# KiCad board SparkFun_GNSS_Flex_Breakout_panelized.kicad_pcb (continued)
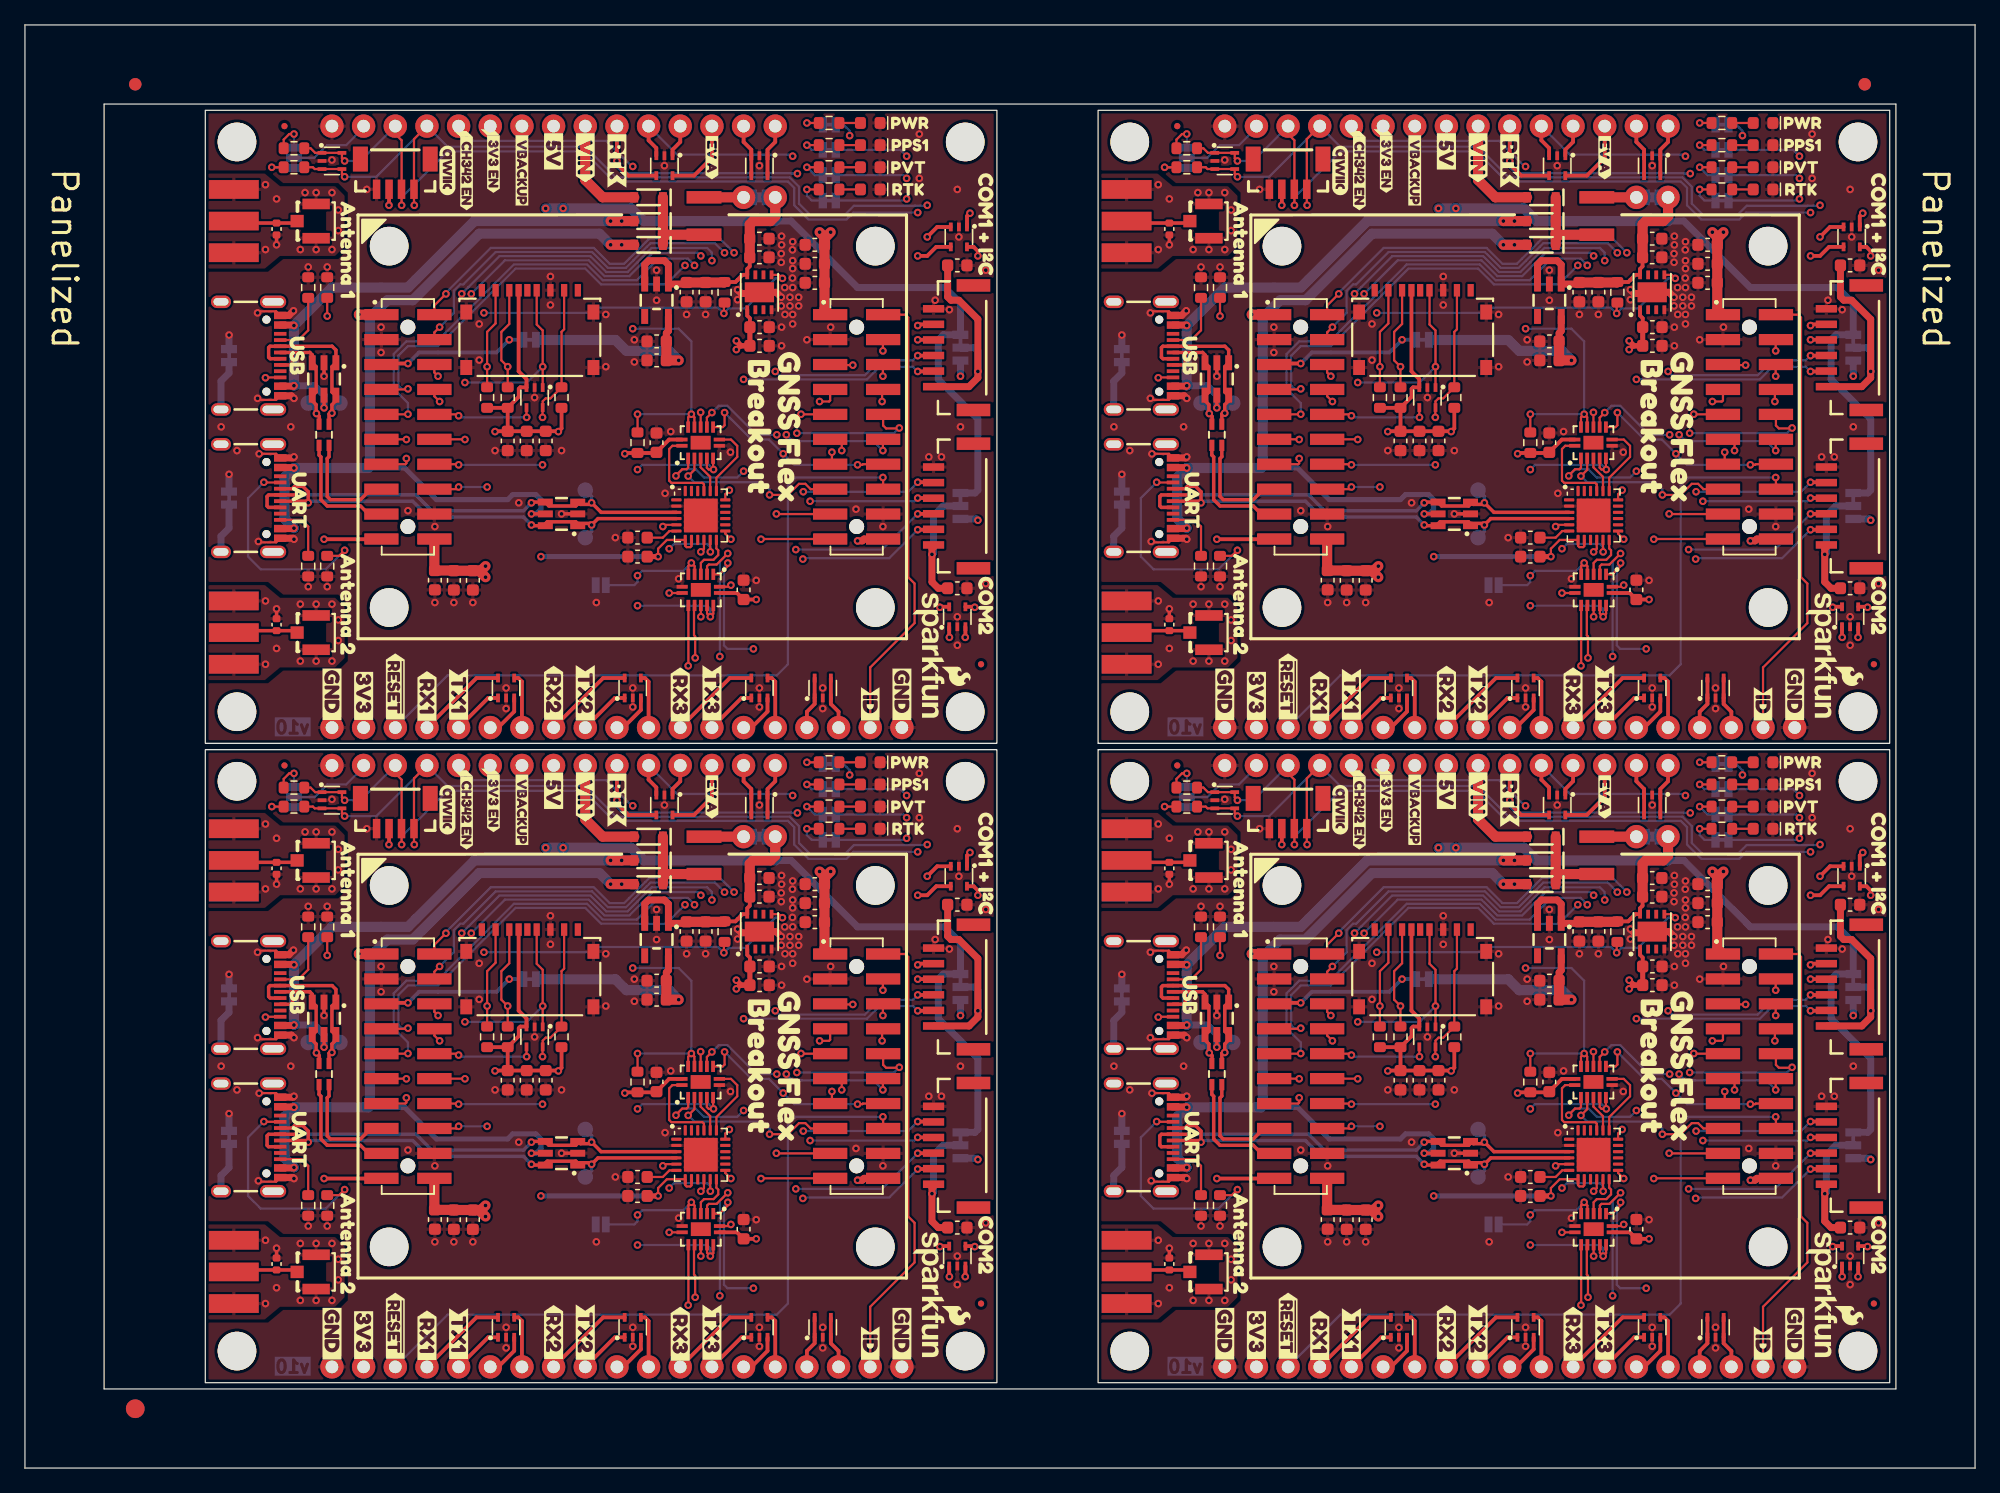
[diagram p0: board, top side]
## Placement (name value [footprint] x y rotation side) (continued)
kibuzzard-67D045C9#3  G***  [kibuzzard-67D045C9]  27.17 10.66 90 bottom
kibuzzard-67D045C9#4  G***  [kibuzzard-67D045C9]  98.79 10.66 90 bottom
kibuzzard-67D045EC  G***  [kibuzzard-67D045EC]  32.25 61.96 90 bottom
kibuzzard-67D045EC#2  G***  [kibuzzard-67D045EC]  103.87 10.66 90 bottom
kibuzzard-67D045EC#3  G***  [kibuzzard-67D045EC]  103.87 61.96 90 bottom
kibuzzard-67D045EC#4  G***  [kibuzzard-67D045EC]  32.25 10.66 90 bottom
kibuzzard-67D046A8  G***  [kibuzzard-67D046A8]  42.41 62.21 90 bottom
kibuzzard-67D046A8#2  G***  [kibuzzard-67D046A8]  114.03 10.91 90 bottom
kibuzzard-67D046A8#3  G***  [kibuzzard-67D046A8]  42.41 10.91 90 bottom
kibuzzard-67D046A8#4  G***  [kibuzzard-67D046A8]  114.03 62.21 90 bottom
kibuzzard-67D046B5  G***  [kibuzzard-67D046B5]  116.57 11.04 90 bottom
kibuzzard-67D046B5#2  G***  [kibuzzard-67D046B5]  44.95 62.34 90 bottom
kibuzzard-67D046B5#3  G***  [kibuzzard-67D046B5]  44.95 11.04 90 bottom
kibuzzard-67D046B5#4  G***  [kibuzzard-67D046B5]  116.57 62.34 90 bottom
kibuzzard-67D046BD  G***  [kibuzzard-67D046BD]  119.11 11.3 90 bottom
kibuzzard-67D046BD#2  G***  [kibuzzard-67D046BD]  47.49 11.3 90 bottom
kibuzzard-67D046BD#3  G***  [kibuzzard-67D046BD]  47.49 62.59 90 bottom
kibuzzard-67D046BD#4  G***  [kibuzzard-67D046BD]  119.11 62.59 90 bottom
kibuzzard-67D046CC  G***  [kibuzzard-67D046CC]  121.65 62.72 90 bottom
kibuzzard-67D046CC#2  G***  [kibuzzard-67D046CC]  121.65 11.42 90 bottom
kibuzzard-67D046CC#3  G***  [kibuzzard-67D046CC]  50.03 11.42 90 bottom
kibuzzard-67D046CC#4  G***  [kibuzzard-67D046CC]  50.03 62.72 90 bottom
kibuzzard-67D046F7  G***  [kibuzzard-67D046F7]  62.73 10.91 90 bottom
kibuzzard-67D046F7#2  G***  [kibuzzard-67D046F7]  62.73 62.21 90 bottom
kibuzzard-67D046F7#3  G***  [kibuzzard-67D046F7]  134.35 62.21 90 bottom
kibuzzard-67D046F7#4  G***  [kibuzzard-67D046F7]  134.35 10.91 90 bottom
kibuzzard-67D046FF  G***  [kibuzzard-67D046FF]  65.27 10.91 90 bottom
kibuzzard-67D046FF#2  G***  [kibuzzard-67D046FF]  65.27 62.21 90 bottom
kibuzzard-67D046FF#3  G***  [kibuzzard-67D046FF]  136.89 10.91 90 bottom
kibuzzard-67D046FF#4  G***  [kibuzzard-67D046FF]  136.89 62.21 90 bottom
kibuzzard-67D171AB  G***  [kibuzzard-67D171AB]  25.27 83.8 90 bottom
kibuzzard-67D171AB#2  G***  [kibuzzard-67D171AB]  96.89 32.5 90 bottom
kibuzzard-67D171AB#3  G***  [kibuzzard-67D171AB]  25.27 32.5 90 bottom
kibuzzard-67D171AB#4  G***  [kibuzzard-67D171AB]  115.3 23.36 90 bottom
kibuzzard-67D171AB#5  G***  [kibuzzard-67D171AB]  96.89 83.8 90 bottom
kibuzzard-67D171AB#6  G***  [kibuzzard-67D171AB]  43.68 74.66 90 bottom
kibuzzard-67D171AB#7  G***  [kibuzzard-67D171AB]  115.3 74.66 90 bottom
kibuzzard-67D171AB#8  G***  [kibuzzard-67D171AB]  43.68 23.36 90 bottom
kibuzzard-67D171E5  G***  [kibuzzard-67D171E5]  22.73 32.5 90 bottom
kibuzzard-67D171E5#2  G***  [kibuzzard-67D171E5]  115.3 27.17 90 bottom
kibuzzard-67D171E5#3  G***  [kibuzzard-67D171E5]  22.73 83.8 90 bottom
kibuzzard-67D171E5#4  G***  [kibuzzard-67D171E5]  115.3 78.47 90 bottom
kibuzzard-67D171E5#5  G***  [kibuzzard-67D171E5]  94.34 32.5 90 bottom
kibuzzard-67D171E5#6  G***  [kibuzzard-67D171E5]  43.68 78.47 90 bottom
kibuzzard-67D171E5#7  G***  [kibuzzard-67D171E5]  43.68 27.17 90 bottom
kibuzzard-67D171E5#8  G***  [kibuzzard-67D171E5]  94.34 83.8 90 bottom
kibuzzard-67D1674C  G***  [kibuzzard-67D1674C]  46.22 14.47 0 bottom
kibuzzard-67D1674C#2  G***  [kibuzzard-67D1674C]  117.84 14.47 0 bottom
kibuzzard-67D1674C#3  G***  [kibuzzard-67D1674C]  46.22 65.77 0 bottom
kibuzzard-67D1674C#4  G***  [kibuzzard-67D1674C]  117.84 65.77 0 bottom
kibuzzard-67D02274  G***  [kibuzzard-67D02274]  70.99 56.63 0 top
kibuzzard-67D02274#2  G***  [kibuzzard-67D02274]  142.61 56.63 0 top
kibuzzard-67D02274#3  G***  [kibuzzard-67D02274]  142.61 107.93 0 top
kibuzzard-67D02274#4  G***  [kibuzzard-67D02274]  70.99 107.93 0 top
kibuzzard-67D03584  G***  [kibuzzard-67D03584]  50.66 32.25 90 bottom
kibuzzard-67D03584#2  G***  [kibuzzard-67D03584]  122.28 32.25 90 bottom
kibuzzard-67D03584#3  G***  [kibuzzard-67D03584]  50.66 83.55 90 bottom
kibuzzard-67D03584#4  G***  [kibuzzard-67D03584]  122.28 83.55 90 bottom
kibuzzard-67D04501  G***  [kibuzzard-67D04501]  98.79 61.96 270 top
kibuzzard-67D04501#2  G***  [kibuzzard-67D04501]  98.79 10.66 270 top
kibuzzard-67D04501#3  G***  [kibuzzard-67D04501]  27.17 10.66 270 top
kibuzzard-67D04501#4  G***  [kibuzzard-67D04501]  27.17 61.96 270 top
kibuzzard-67D04612  G***  [kibuzzard-67D04612]  106.41 10.79 90 bottom
kibuzzard-67D04612#2  G***  [kibuzzard-67D04612]  34.79 62.09 90 bottom
kibuzzard-67D04612#3  G***  [kibuzzard-67D04612]  106.41 62.09 90 bottom
kibuzzard-67D04612#4  G***  [kibuzzard-67D04612]  34.79 10.79 90 bottom
kibuzzard-67D04639  G***  [kibuzzard-67D04639]  108.95 62.47 90 bottom
kibuzzard-67D04639#2  G***  [kibuzzard-67D04639]  37.33 11.17 90 bottom
kibuzzard-67D04639#3  G***  [kibuzzard-67D04639]  108.95 11.17 90 bottom
kibuzzard-67D04639#4  G***  [kibuzzard-67D04639]  37.33 62.47 90 bottom
kibuzzard-67D04669  G***  [kibuzzard-67D04669]  39.87 11.17 90 bottom
kibuzzard-67D04669#2  G***  [kibuzzard-67D04669]  111.49 62.47 90 bottom
kibuzzard-67D04669#3  G***  [kibuzzard-67D04669]  39.87 62.47 90 bottom
kibuzzard-67D04669#4  G***  [kibuzzard-67D04669]  111.49 11.17 90 bottom
kibuzzard-67D05112  G***  [kibuzzard-67D05112]  18.03 89.27 90 bottom
kibuzzard-67D05112#2  G***  [kibuzzard-67D05112]  18.03 26.53 90 bottom
kibuzzard-67D05112#3  G***  [kibuzzard-67D05112]  89.65 89.27 90 bottom
kibuzzard-67D05112#4  G***  [kibuzzard-67D05112]  18.03 77.84 90 bottom
kibuzzard-67D05112#5  G***  [kibuzzard-67D05112]  89.65 77.84 90 bottom
kibuzzard-67D05112#6  G***  [kibuzzard-67D05112]  18.03 37.97 90 bottom
kibuzzard-67D05112#7  G***  [kibuzzard-67D05112]  89.65 37.97 90 bottom
kibuzzard-67D05112#8  G***  [kibuzzard-67D05112]  89.65 26.53 90 bottom
kibuzzard-67D16775  G***  [kibuzzard-67D16775]  135.62 14.48 0 bottom
kibuzzard-67D16775#2  G***  [kibuzzard-67D16775]  64 65.78 0 bottom
kibuzzard-67D16775#3  G***  [kibuzzard-67D16775]  135.62 65.78 0 bottom
kibuzzard-67D16775#4  G***  [kibuzzard-67D16775]  64 14.48 0 bottom
kibuzzard-67DAC0B5  G***  [kibuzzard-67DAC0B5]  145.02 77.2 90 bottom
kibuzzard-67DAC0B5#2  G***  [kibuzzard-67DAC0B5]  73.4 25.9 90 bottom
kibuzzard-67DAC0B5#3  G***  [kibuzzard-67DAC0B5]  73.4 89.9 90 bottom
kibuzzard-67DAC0B5#4  G***  [kibuzzard-67DAC0B5]  73.4 38.6 90 bottom
kibuzzard-67DAC0B5#5  G***  [kibuzzard-67DAC0B5]  145.02 38.6 90 bottom
kibuzzard-67DAC0B5#6  G***  [kibuzzard-67DAC0B5]  145.02 89.9 90 bottom
kibuzzard-67DAC0B5#7  G***  [kibuzzard-67DAC0B5]  73.4 77.2 90 bottom
kibuzzard-67DAC0B5#8  G***  [kibuzzard-67DAC0B5]  145.02 25.9 90 bottom
kibuzzard-67E6AD3C  G***  [kibuzzard-67E6AD3C]  146.67 93.08 90 bottom
kibuzzard-67E6AD3C#2  G***  [kibuzzard-67E6AD3C]  146.67 41.78 90 bottom
kibuzzard-67E6AD3C#3  G***  [kibuzzard-67E6AD3C]  75.05 80.38 90 bottom
kibuzzard-67E6AD3C#4  G***  [kibuzzard-67E6AD3C]  146.67 80.38 90 bottom
kibuzzard-67E6AD3C#5  G***  [kibuzzard-67E6AD3C]  146.67 29.08 90 bottom
kibuzzard-67E6AD3C#6  G***  [kibuzzard-67E6AD3C]  75.05 29.08 90 bottom
kibuzzard-67E6AD3C#7  G***  [kibuzzard-67E6AD3C]  75.05 93.08 90 bottom
kibuzzard-67E6AD3C#8  G***  [kibuzzard-67E6AD3C]  75.05 41.78 90 bottom
kibuzzard-67E6AD12  G***  [kibuzzard-67E6AD12]  75.05 73.64 90 bottom
kibuzzard-67E6AD12#2  G***  [kibuzzard-67E6AD12]  75.05 22.34 90 bottom
kibuzzard-67E6AD12#3  G***  [kibuzzard-67E6AD12]  146.67 22.34 90 bottom
kibuzzard-67E6AD12#4  G***  [kibuzzard-67E6AD12]  146.67 35.04 90 bottom
kibuzzard-67E6AD12#5  G***  [kibuzzard-67E6AD12]  146.67 86.34 90 bottom
kibuzzard-67E6AD12#6  G***  [kibuzzard-67E6AD12]  75.05 35.04 90 bottom
kibuzzard-67E6AD12#7  G***  [kibuzzard-67E6AD12]  146.67 73.64 90 bottom
kibuzzard-67E6AD12#8  G***  [kibuzzard-67E6AD12]  75.05 86.34 90 bottom
kibuzzard-67E6B1CF  G***  [kibuzzard-67E6B1CF]  93.46 89.27 270 top
kibuzzard-67E6B1CF#2  G***  [kibuzzard-67E6B1CF]  93.46 37.97 270 top
kibuzzard-67E6B1CF#3  G***  [kibuzzard-67E6B1CF]  21.84 37.97 270 top
kibuzzard-67E6B1CF#4  G***  [kibuzzard-67E6B1CF]  21.84 89.27 270 top
kibuzzard-67E6B1CF#5  G***  [kibuzzard-67E6B1CF]  91.55 89.27 90 bottom
kibuzzard-67E6B1CF#6  G***  [kibuzzard-67E6B1CF]  91.55 37.97 90 bottom
kibuzzard-67E6B1CF#7  G***  [kibuzzard-67E6B1CF]  19.93 37.97 90 bottom
kibuzzard-67E6B1CF#8  G***  [kibuzzard-67E6B1CF]  19.93 89.27 90 bottom
kibuzzard-67E6B1E0  G***  [kibuzzard-67E6B1E0]  93.61 77.66 270 top
kibuzzard-67E6B1E0#2  G***  [kibuzzard-67E6B1E0]  93.61 26.36 270 top
kibuzzard-67E6B1E0#3  G***  [kibuzzard-67E6B1E0]  21.99 26.36 270 top
kibuzzard-67E6B1E0#4  G***  [kibuzzard-67E6B1E0]  21.99 77.66 270 top
kibuzzard-67E6B1E0#5  G***  [kibuzzard-67E6B1E0]  19.93 26.53 90 bottom
kibuzzard-67E6B1E0#6  G***  [kibuzzard-67E6B1E0]  91.55 77.84 90 bottom
kibuzzard-67E6B1E0#7  G***  [kibuzzard-67E6B1E0]  91.55 26.53 90 bottom
kibuzzard-67E6B1E0#8  G***  [kibuzzard-67E6B1E0]  19.93 77.84 90 bottom
kibuzzard-67E6B4F7  G***  [kibuzzard-67E6B4F7]  55.11 32.25 90 bottom
kibuzzard-67E6B4F7#2  G***  [kibuzzard-67E6B4F7]  126.73 83.55 90 bottom
kibuzzard-67E6B4F7#3  G***  [kibuzzard-67E6B4F7]  55.11 83.55 90 bottom
kibuzzard-67E6B4F7#4  G***  [kibuzzard-67E6B4F7]  126.73 32.25 90 bottom
kibuzzard-67E6B5D1  G***  [kibuzzard-67E6B5D1]  114.03 62.21 270 top
kibuzzard-67E6B5D1#2  G***  [kibuzzard-67E6B5D1]  42.41 10.91 270 top
kibuzzard-67E6B5D1#3  G***  [kibuzzard-67E6B5D1]  114.03 10.91 270 top
kibuzzard-67E6B5D1#4  G***  [kibuzzard-67E6B5D1]  42.41 62.21 270 top
kibuzzard-67E6B5D6  G***  [kibuzzard-67E6B5D6]  116.57 10.91 270 top
kibuzzard-67E6B5D6#2  G***  [kibuzzard-67E6B5D6]  44.95 62.21 270 top
kibuzzard-67E6B5D6#3  G***  [kibuzzard-67E6B5D6]  44.95 10.91 270 top
kibuzzard-67E6B5D6#4  G***  [kibuzzard-67E6B5D6]  116.57 62.21 270 top
kibuzzard-67E6B5E0  G***  [kibuzzard-67E6B5E0]  124.19 62.09 270 top
kibuzzard-67E6B5E0#2  G***  [kibuzzard-67E6B5E0]  52.57 10.79 270 top
kibuzzard-67E6B5E0#3  G***  [kibuzzard-67E6B5E0]  124.19 10.79 270 top
kibuzzard-67E6B5E0#4  G***  [kibuzzard-67E6B5E0]  52.57 62.09 270 top
kibuzzard-67E6B5E7  G***  [kibuzzard-67E6B5E7]  126.73 10.91 270 top
kibuzzard-67E6B5E7#2  G***  [kibuzzard-67E6B5E7]  55.11 62.21 270 top
kibuzzard-67E6B5E7#3  G***  [kibuzzard-67E6B5E7]  55.11 10.91 270 top
kibuzzard-67E6B5E7#4  G***  [kibuzzard-67E6B5E7]  126.73 62.21 270 top
kibuzzard-67E6B70A  G***  [kibuzzard-67E6B70A]  101.33 53.46 90 bottom
kibuzzard-67E6B70A#2  G***  [kibuzzard-67E6B70A]  29.71 104.76 90 bottom
kibuzzard-67E6B70A#3  G***  [kibuzzard-67E6B70A]  101.33 104.76 90 bottom
kibuzzard-67E6B70A#4  G***  [kibuzzard-67E6B70A]  29.71 53.46 90 bottom
kibuzzard-67E6B547  G***  [kibuzzard-67E6B547]  103.87 10.66 270 top
kibuzzard-67E6B547#2  G***  [kibuzzard-67E6B547]  32.25 61.96 270 top
kibuzzard-67E6B547#3  G***  [kibuzzard-67E6B547]  103.87 61.96 270 top
kibuzzard-67E6B547#4  G***  [kibuzzard-67E6B547]  32.25 10.66 270 top
kibuzzard-67E6B575  G***  [kibuzzard-67E6B575]  106.41 62.09 270 top
kibuzzard-67E6B575#2  G***  [kibuzzard-67E6B575]  106.41 10.79 270 top
kibuzzard-67E6B575#3  G***  [kibuzzard-67E6B575]  34.79 62.09 270 top
kibuzzard-67E6B575#4  G***  [kibuzzard-67E6B575]  34.79 10.79 270 top
kibuzzard-67E6B720  G***  [kibuzzard-67E6B720]  32.25 53.59 90 bottom
kibuzzard-67E6B720#2  G***  [kibuzzard-67E6B720]  103.87 53.59 90 bottom
kibuzzard-67E6B720#3  G***  [kibuzzard-67E6B720]  32.25 104.89 90 bottom
kibuzzard-67E6B720#4  G***  [kibuzzard-67E6B720]  103.87 104.89 90 bottom
kibuzzard-67E6B983  G***  [kibuzzard-67E6B983]  130.54 48.89 0 bottom
kibuzzard-67E6B983#2  G***  [kibuzzard-67E6B983]  130.54 100.19 0 bottom
kibuzzard-67E6B983#3  G***  [kibuzzard-67E6B983]  58.92 48.89 0 bottom
kibuzzard-67E6B983#4  G***  [kibuzzard-67E6B983]  58.92 100.19 0 bottom
kibuzzard-67E6BA59  G***  [kibuzzard-67E6BA59]  37.33 52.32 90 bottom
kibuzzard-67E6BA59#2  G***  [kibuzzard-67E6BA59]  37.33 103.62 90 bottom
kibuzzard-67E6BA59#3  G***  [kibuzzard-67E6BA59]  108.95 52.32 90 bottom
kibuzzard-67E6BA59#4  G***  [kibuzzard-67E6BA59]  108.95 103.62 90 bottom
kibuzzard-67E6BA73  G***  [kibuzzard-67E6BA73]  106.41 102.73 90 bottom
kibuzzard-67E6BA73#2  G***  [kibuzzard-67E6BA73]  34.79 102.73 90 bottom
kibuzzard-67E6BA73#3  G***  [kibuzzard-67E6BA73]  106.41 51.43 90 bottom
kibuzzard-67E6BA73#4  G***  [kibuzzard-67E6BA73]  34.79 51.43 90 bottom
kibuzzard-67E6BA93  G***  [kibuzzard-67E6BA93]  47.49 104.89 90 bottom
kibuzzard-67E6BA93#2  G***  [kibuzzard-67E6BA93]  119.11 53.59 90 bottom
kibuzzard-67E6BA93#3  G***  [kibuzzard-67E6BA93]  47.49 53.59 90 bottom
kibuzzard-67E6BA93#4  G***  [kibuzzard-67E6BA93]  119.11 104.89 90 bottom
kibuzzard-67E6BABA  G***  [kibuzzard-67E6BABA]  119.11 104.89 270 top
kibuzzard-67E6BABA#2  G***  [kibuzzard-67E6BABA]  47.49 104.89 270 top
kibuzzard-67E6BABA#3  G***  [kibuzzard-67E6BABA]  47.49 53.59 270 top
kibuzzard-67E6BABA#4  G***  [kibuzzard-67E6BABA]  119.11 53.59 270 top
kibuzzard-67E6BAD6  G***  [kibuzzard-67E6BAD6]  44.95 53.84 270 top
kibuzzard-67E6BAD6#2  G***  [kibuzzard-67E6BAD6]  116.57 105.14 270 top
kibuzzard-67E6BAD6#3  G***  [kibuzzard-67E6BAD6]  116.57 53.84 270 top
kibuzzard-67E6BAD6#4  G***  [kibuzzard-67E6BAD6]  44.95 105.14 270 top
kibuzzard-67E6BB49  G***  [kibuzzard-67E6BB49]  126.73 102.98 90 bottom
kibuzzard-67E6BB49#2  G***  [kibuzzard-67E6BB49]  55.11 51.68 90 bottom
kibuzzard-67E6BB49#3  G***  [kibuzzard-67E6BB49]  55.11 102.98 90 bottom
kibuzzard-67E6BB49#4  G***  [kibuzzard-67E6BB49]  126.73 51.68 90 bottom
kibuzzard-67E6BB64  G***  [kibuzzard-67E6BB64]  124.19 103.11 90 bottom
kibuzzard-67E6BB64#2  G***  [kibuzzard-67E6BB64]  52.57 103.11 90 bottom
kibuzzard-67E6BB64#3  G***  [kibuzzard-67E6BB64]  52.57 51.81 90 bottom
kibuzzard-67E6BB64#4  G***  [kibuzzard-67E6BB64]  124.19 51.81 90 bottom
kibuzzard-67E6BBAF  G***  [kibuzzard-67E6BBAF]  57.65 105.01 90 bottom
kibuzzard-67E6BBAF#2  G***  [kibuzzard-67E6BBAF]  129.27 53.71 90 bottom
kibuzzard-67E6BBAF#3  G***  [kibuzzard-67E6BBAF]  57.65 53.71 90 bottom
kibuzzard-67E6BBAF#4  G***  [kibuzzard-67E6BBAF]  129.27 105.01 90 bottom
kibuzzard-67E6BBC6  G***  [kibuzzard-67E6BBC6]  131.81 53.84 90 bottom
kibuzzard-67E6BBC6#2  G***  [kibuzzard-67E6BBC6]  131.81 105.14 90 bottom
kibuzzard-67E6BBC6#3  G***  [kibuzzard-67E6BBC6]  60.19 53.84 90 bottom
kibuzzard-67E6BBC6#4  G***  [kibuzzard-67E6BBC6]  60.19 105.14 90 bottom
kibuzzard-67E6C8C9  G***  [kibuzzard-67E6C8C9]  130.54 83.55 270 top
kibuzzard-67E6C8C9#2  G***  [kibuzzard-67E6C8C9]  58.92 83.55 270 top
kibuzzard-67E6C8C9#3  G***  [kibuzzard-67E6C8C9]  130.54 32.25 270 top
kibuzzard-67E6C8C9#4  G***  [kibuzzard-67E6C8C9]  58.92 32.25 270 top
kibuzzard-67E6C8CF  G***  [kibuzzard-67E6C8CF]  132.95 83.55 270 top
kibuzzard-67E6C8CF#2  G***  [kibuzzard-67E6C8CF]  61.33 83.55 270 top
kibuzzard-67E6C8CF#3  G***  [kibuzzard-67E6C8CF]  132.95 32.25 270 top
kibuzzard-67E6C8CF#4  G***  [kibuzzard-67E6C8CF]  61.33 32.25 270 top
kibuzzard-67E6C641  G***  [kibuzzard-67E6C641]  21.58 50.92 90 bottom
kibuzzard-67E6C641#2  G***  [kibuzzard-67E6C641]  93.2 50.92 90 bottom
kibuzzard-67E6C641#3  G***  [kibuzzard-67E6C641]  21.58 102.22 90 bottom
kibuzzard-67E6C641#4  G***  [kibuzzard-67E6C641]  93.2 102.22 90 bottom
kibuzzard-67E68AA4  G***  [kibuzzard-67E68AA4]  139.43 61.33 270 top
kibuzzard-67E68AA4#2  G***  [kibuzzard-67E68AA4]  139.43 10.03 270 top
kibuzzard-67E68AA4#3  G***  [kibuzzard-67E68AA4]  67.81 61.33 270 top
kibuzzard-67E68AA4#4  G***  [kibuzzard-67E68AA4]  67.81 10.03 270 top
kibuzzard-67E68AF7  G***  [kibuzzard-67E68AF7]  67.81 61.33 90 bottom
kibuzzard-67E68AF7#2  G***  [kibuzzard-67E68AF7]  67.81 10.03 90 bottom
kibuzzard-67E68AF7#3  G***  [kibuzzard-67E68AF7]  139.43 61.33 90 bottom
kibuzzard-67E68AF7#4  G***  [kibuzzard-67E68AF7]  139.43 10.03 90 bottom
kibuzzard-67E68BE1  G***  [kibuzzard-67E68BE1]  107.68 14.47 0 bottom
kibuzzard-67E68BE1#2  G***  [kibuzzard-67E68BE1]  36.06 14.47 0 bottom
kibuzzard-67E68BE1#3  G***  [kibuzzard-67E68BE1]  107.68 65.77 0 bottom
kibuzzard-67E68BE1#4  G***  [kibuzzard-67E68BE1]  36.06 65.77 0 bottom
kibuzzard-67E686E5  G***  [kibuzzard-67E686E5]  70.99 106.16 0 top
kibuzzard-67E686E5#2  G***  [kibuzzard-67E686E5]  142.61 54.86 0 top
kibuzzard-67E686E5#3  G***  [kibuzzard-67E686E5]  70.99 54.86 0 top
kibuzzard-67E686E5#4  G***  [kibuzzard-67E686E5]  142.61 106.16 0 top
kibuzzard-67E688B9  G***  [kibuzzard-67E688B9]  124.19 10.91 90 bottom
kibuzzard-67E688B9#2  G***  [kibuzzard-67E688B9]  52.57 10.91 90 bottom
kibuzzard-67E688B9#3  G***  [kibuzzard-67E688B9]  52.57 62.21 90 bottom
kibuzzard-67E688B9#4  G***  [kibuzzard-67E688B9]  124.19 62.21 90 bottom
kibuzzard-67E688C1  G***  [kibuzzard-67E688C1]  55.11 62.34 90 bottom
kibuzzard-67E688C1#2  G***  [kibuzzard-67E688C1]  126.73 11.04 90 bottom
kibuzzard-67E688C1#3  G***  [kibuzzard-67E688C1]  126.73 62.34 90 bottom
kibuzzard-67E688C1#4  G***  [kibuzzard-67E688C1]  55.11 11.04 90 bottom
kibuzzard-67E688C9  G***  [kibuzzard-67E688C9]  57.65 62.59 90 bottom
kibuzzard-67E688C9#2  G***  [kibuzzard-67E688C9]  57.65 11.3 90 bottom
kibuzzard-67E688C9#3  G***  [kibuzzard-67E688C9]  129.27 11.3 90 bottom
kibuzzard-67E688C9#4  G***  [kibuzzard-67E688C9]  129.27 62.59 90 bottom
kibuzzard-67E688D0  G***  [kibuzzard-67E688D0]  131.81 62.72 90 bottom
kibuzzard-67E688D0#2  G***  [kibuzzard-67E688D0]  60.19 11.42 90 bottom
kibuzzard-67E688D0#3  G***  [kibuzzard-67E688D0]  60.19 62.72 90 bottom
kibuzzard-67E688D0#4  G***  [kibuzzard-67E688D0]  131.81 11.42 90 bottom
kibuzzard-67E689B5  G***  [kibuzzard-67E689B5]  29.71 11.42 90 bottom
kibuzzard-67E689B5#2  G***  [kibuzzard-67E689B5]  101.33 62.72 90 bottom
kibuzzard-67E689B5#3  G***  [kibuzzard-67E689B5]  29.71 62.72 90 bottom
kibuzzard-67E689B5#4  G***  [kibuzzard-67E689B5]  101.33 11.42 90 bottom
kibuzzard-67E689EA  G***  [kibuzzard-67E689EA]  101.33 62.72 270 top
kibuzzard-67E689EA#2  G***  [kibuzzard-67E689EA]  29.71 11.42 270 top
kibuzzard-67E689EA#3  G***  [kibuzzard-67E689EA]  29.71 62.72 270 top
kibuzzard-67E689EA#4  G***  [kibuzzard-67E689EA]  101.33 11.42 270 top
kibuzzard-67E68821  G***  [kibuzzard-67E68821]  56.38 65.77 0 bottom
kibuzzard-67E68821#2  G***  [kibuzzard-67E68821]  56.38 14.47 0 bottom
kibuzzard-67E68821#3  G***  [kibuzzard-67E68821]  128 65.77 0 bottom
kibuzzard-67E68821#4  G***  [kibuzzard-67E68821]  128 14.47 0 bottom
kibuzzard-67EE9EE3  G***  [kibuzzard-67EE9EE3]  97.52 46.47 270 top
kibuzzard-67EE9EE3#2  G***  [kibuzzard-67EE9EE3]  25.9 97.77 270 top
kibuzzard-67EE9EE3#3  G***  [kibuzzard-67EE9EE3]  25.9 46.47 270 top
kibuzzard-67EE9EE3#4  G***  [kibuzzard-67EE9EE3]  97.52 97.77 270 top
kibuzzard-67EE9EE3#5  G***  [kibuzzard-67EE9EE3]  91.3 99.93 90 bottom
kibuzzard-67EE9EE3#6  G***  [kibuzzard-67EE9EE3]  19.68 99.93 90 bottom
kibuzzard-67EE9EE3#7  G***  [kibuzzard-67EE9EE3]  91.3 48.63 90 bottom
kibuzzard-67EE9EE3#8  G***  [kibuzzard-67EE9EE3]  19.68 48.63 90 bottom
kibuzzard-67EE9EFF  G***  [kibuzzard-67EE9EFF]  97.52 69.33 270 top
kibuzzard-67EE9EFF#2  G***  [kibuzzard-67EE9EFF]  97.52 18.03 270 top
kibuzzard-67EE9EFF#3  G***  [kibuzzard-67EE9EFF]  25.9 18.03 270 top
kibuzzard-67EE9EFF#4  G***  [kibuzzard-67EE9EFF]  25.9 69.33 270 top
kibuzzard-67EE9EFF#5  G***  [kibuzzard-67EE9EFF]  91.3 66.79 90 bottom
kibuzzard-67EE9EFF#6  G***  [kibuzzard-67EE9EFF]  19.68 66.79 90 bottom
kibuzzard-67EE9EFF#7  G***  [kibuzzard-67EE9EFF]  19.68 15.49 90 bottom
kibuzzard-67EE9EFF#8  G***  [kibuzzard-67EE9EFF]  91.3 15.49 90 bottom
kibuzzard-67EEB40C  G***  [kibuzzard-67EEB40C]  42.41 105.65 90 bottom
kibuzzard-67EEB40C#2  G***  [kibuzzard-67EEB40C]  114.03 105.65 90 bottom
kibuzzard-67EEB40C#3  G***  [kibuzzard-67EEB40C]  42.41 54.35 90 bottom
kibuzzard-67EEB40C#4  G***  [kibuzzard-67EEB40C]  114.03 54.35 90 bottom
kibuzzard-67EEB400  G***  [kibuzzard-67EEB400]  114.03 54.35 270 top
kibuzzard-67EEB400#2  G***  [kibuzzard-67EEB400]  114.03 105.65 270 top
kibuzzard-67EEB400#3  G***  [kibuzzard-67EEB400]  42.41 105.65 270 top
kibuzzard-67EEB400#4  G***  [kibuzzard-67EEB400]  42.41 54.35 270 top
kibuzzard-67EFA2E8  G***  [kibuzzard-67EFA2E8]  148.7 77.2 90 bottom
kibuzzard-67EFA2E8#2  G***  [kibuzzard-67EFA2E8]  77.08 25.9 90 bottom
kibuzzard-67EFA2E8#3  G***  [kibuzzard-67EFA2E8]  148.7 25.9 90 bottom
kibuzzard-67EFA2E8#4  G***  [kibuzzard-67EFA2E8]  77.08 77.2 90 bottom
kibuzzard-67EFA2F1  G***  [kibuzzard-67EFA2F1]  148.7 17.9 270 top
kibuzzard-67EFA2F1#2  G***  [kibuzzard-67EFA2F1]  148.7 69.2 270 top
kibuzzard-67EFA2F1#3  G***  [kibuzzard-67EFA2F1]  77.08 17.9 270 top
kibuzzard-67EFA2F1#4  G***  [kibuzzard-67EFA2F1]  77.08 69.2 270 top
kibuzzard-67EFDE56  G***  [kibuzzard-67EFDE56]  35.43 52.57 270 top
kibuzzard-67EFDE56#2  G***  [kibuzzard-67EFDE56]  107.05 52.57 270 top
kibuzzard-67EFDE56#3  G***  [kibuzzard-67EFDE56]  35.43 103.87 270 top
kibuzzard-67EFDE56#4  G***  [kibuzzard-67EFDE56]  107.05 103.87 270 top
kibuzzard-67EFEB6F  G***  [kibuzzard-67EFEB6F]  148.7 48.51 270 top
kibuzzard-67EFEB6F#2  G***  [kibuzzard-67EFEB6F]  148.7 99.81 270 top
kibuzzard-67EFEB6F#3  G***  [kibuzzard-67EFEB6F]  77.08 48.51 270 top
kibuzzard-67EFEB6F#4  G***  [kibuzzard-67EFEB6F]  77.08 99.81 270 top
kibuzzard-67EFEB92  G***  [kibuzzard-67EFEB92]  148.7 38.6 90 bottom
kibuzzard-67EFEB92#2  G***  [kibuzzard-67EFEB92]  77.08 89.9 90 bottom
kibuzzard-67EFEB92#3  G***  [kibuzzard-67EFEB92]  148.7 89.9 90 bottom
kibuzzard-67EFEB92#4  G***  [kibuzzard-67EFEB92]  77.08 38.6 90 bottom
kibuzzard-67F7B6D7  G***  [kibuzzard-67F7B6D7]  37.58 104.63 270 top
kibuzzard-67F7B6D7#2  G***  [kibuzzard-67F7B6D7]  109.2 53.33 270 top
kibuzzard-67F7B6D7#3  G***  [kibuzzard-67F7B6D7]  109.2 104.63 270 top
kibuzzard-67F7B6D7#4  G***  [kibuzzard-67F7B6D7]  37.58 53.33 270 top
kibuzzard-67F7B700  G***  [kibuzzard-67F7B700]  55.11 53.84 270 top
kibuzzard-67F7B700#2  G***  [kibuzzard-67F7B700]  126.73 53.84 270 top
kibuzzard-67F7B700#3  G***  [kibuzzard-67F7B700]  126.73 105.14 270 top
kibuzzard-67F7B700#4  G***  [kibuzzard-67F7B700]  55.11 105.14 270 top
kibuzzard-67F7C8FB  G***  [kibuzzard-67F7C8FB]  112.89 70.85 0 bottom
kibuzzard-67F7C8FB#2  G***  [kibuzzard-67F7C8FB]  112.89 19.55 0 bottom
kibuzzard-67F7C8FB#3  G***  [kibuzzard-67F7C8FB]  41.27 70.85 0 bottom
kibuzzard-67F7C8FB#4  G***  [kibuzzard-67F7C8FB]  41.27 19.55 0 bottom
kibuzzard-67F7C94B  G***  [kibuzzard-67F7C94B]  139.68 107.81 0 bottom
kibuzzard-67F7C94B#2  G***  [kibuzzard-67F7C94B]  68.06 107.81 0 bottom
kibuzzard-67F7C94B#3  G***  [kibuzzard-67F7C94B]  68.06 56.51 0 bottom
kibuzzard-67F7C94B#4  G***  [kibuzzard-67F7C94B]  139.68 56.51 0 bottom
kibuzzard-67F7C97D  G***  [kibuzzard-67F7C97D]  67.94 103.74 0 bottom
kibuzzard-67F7C97D#2  G***  [kibuzzard-67F7C97D]  67.94 52.44 0 bottom
kibuzzard-67F7C97D#3  G***  [kibuzzard-67F7C97D]  139.56 103.74 0 bottom
kibuzzard-67F7C97D#4  G***  [kibuzzard-67F7C97D]  139.56 52.44 0 bottom
kibuzzard-67F7C969  G***  [kibuzzard-67F7C969]  139.68 105.78 0 bottom
kibuzzard-67F7C969#2  G***  [kibuzzard-67F7C969]  139.68 54.48 0 bottom
kibuzzard-67F7C969#3  G***  [kibuzzard-67F7C969]  68.06 105.78 0 bottom
kibuzzard-67F7C969#4  G***  [kibuzzard-67F7C969]  68.06 54.48 0 bottom
kibuzzard-67F7C991  G***  [kibuzzard-67F7C991]  139.43 50.41 0 bottom
kibuzzard-67F7C991#2  G***  [kibuzzard-67F7C991]  67.81 50.41 0 bottom
kibuzzard-67F7C991#3  G***  [kibuzzard-67F7C991]  139.43 101.71 0 bottom
kibuzzard-67F7C991#4  G***  [kibuzzard-67F7C991]  67.81 101.71 0 bottom
kibuzzard-682202FA  G***  [kibuzzard-682202FA]  39.87 104.12 270 top
kibuzzard-682202FA#2  G***  [kibuzzard-682202FA]  39.87 52.82 270 top
kibuzzard-682202FA#3  G***  [kibuzzard-682202FA]  111.49 104.12 270 top
kibuzzard-682202FA#4  G***  [kibuzzard-682202FA]  111.49 52.82 270 top
kibuzzard-6822032F  G***  [kibuzzard-6822032F]  40.5 95.36 90 bottom
kibuzzard-6822032F#2  G***  [kibuzzard-6822032F]  40.5 44.06 90 bottom
kibuzzard-6822032F#3  G***  [kibuzzard-6822032F]  112.12 44.06 90 bottom
kibuzzard-6822032F#4  G***  [kibuzzard-6822032F]  112.12 95.36 90 bottom
kibuzzard-68220336  G***  [kibuzzard-68220336]  39.87 103.49 90 bottom
kibuzzard-68220336#2  G***  [kibuzzard-68220336]  39.87 52.19 90 bottom
kibuzzard-68220336#3  G***  [kibuzzard-68220336]  111.49 103.49 90 bottom
kibuzzard-68220336#4  G***  [kibuzzard-68220336]  111.49 52.19 90 bottom
NOREF  -  [Fiducial_1mm_Mask3mm]  147.59 111.04 0 top
NOREF#2  -  [Fiducial_1mm_Mask3mm]  8.85 111.04 0 top
NOREF#3  -  [Fiducial_1.5mm_Mask3mm]  8.85 4.76 0 top
NOREF#4  -  [Fiducial_1.5mm_Mask3mm]  8.85 4.76 180 bottom
NOREF#5  -  [Fiducial_1mm_Mask3mm]  8.85 111.04 180 bottom
NOREF#6  -  [Fiducial_1mm_Mask3mm]  147.59 111.04 180 bottom
PPS1  ~  [Jumper_2_NC_Trace]  64.52 54.48 0 bottom
PPS1#2  ~  [Jumper_2_NC_Trace]  64.52 105.78 0 bottom
PPS1#3  ~  [Jumper_2_NC_Trace]  136.14 105.78 0 bottom
PPS1#4  ~  [Jumper_2_NC_Trace]  136.14 54.48 0 bottom
PVT1  ~  [Jumper_2_NC_Trace]  136.14 52.44 0 bottom
PVT1#2  ~  [Jumper_2_NC_Trace]  64.52 103.74 0 bottom
PVT1#3  ~  [Jumper_2_NC_Trace]  64.52 52.44 0 bottom
PVT1#4  ~  [Jumper_2_NC_Trace]  136.14 103.74 0 bottom
PWR1  ~  [Jumper_2_NC_Trace]  64.52 107.8 0 bottom
PWR1#2  ~  [Jumper_2_NC_Trace]  64.52 56.5 0 bottom
PWR1#3  ~  [Jumper_2_NC_Trace]  136.14 56.5 0 bottom
PWR1#4  ~  [Jumper_2_NC_Trace]  136.14 107.8 0 bottom
R1  10k  [R_0603_1608Metric]  114.66 85.9 270 top
R1#2  10k  [R_0603_1608Metric]  43.05 85.9 270 top
R1#3  10k  [R_0603_1608Metric]  43.05 34.6 270 top
R1#4  10k  [R_0603_1608Metric]  114.66 34.6 270 top
R2  10k  [R_0603_1608Metric]  38.73 85.9 270 top
R2#2  10k  [R_0603_1608Metric]  110.35 34.6 270 top
R2#3  10k  [R_0603_1608Metric]  38.73 34.6 270 top
R2#4  10k  [R_0603_1608Metric]  110.35 85.9 270 top
R3  100k  [R_0603_1608Metric]  56.13 94.34 90 top
R3#2  100k  [R_0603_1608Metric]  127.75 43.05 90 top
R3#3  100k  [R_0603_1608Metric]  127.75 94.34 90 top
R3#4  100k  [R_0603_1608Metric]  56.13 43.05 90 top
R4  10k  [R_0603_1608Metric]  37.08 34.6 270 top
R4#2  10k  [R_0603_1608Metric]  37.08 85.9 270 top
R4#3  10k  [R_0603_1608Metric]  108.7 85.9 270 top
R4#4  10k  [R_0603_1608Metric]  108.7 34.6 270 top
R5  100k  [R_0603_1608Metric]  120.76 30.98 270 top
R5#2  100k  [R_0603_1608Metric]  120.76 82.28 270 top
R5#3  100k  [R_0603_1608Metric]  49.14 82.28 270 top
R5#4  100k  [R_0603_1608Metric]  49.14 30.98 270 top
R6  4.7k  [R_0603_1608Metric]  64.51 107.93 180 top
R6#2  4.7k  [R_0603_1608Metric]  136.13 107.93 180 top
R6#3  4.7k  [R_0603_1608Metric]  136.13 56.63 180 top
R6#4  4.7k  [R_0603_1608Metric]  64.51 56.63 180 top
R7  2.2k  [R_0603_1608Metric]  136.13 104.38 180 top
R7#2  2.2k  [R_0603_1608Metric]  136.13 53.08 180 top
R7#3  2.2k  [R_0603_1608Metric]  64.51 53.08 180 top
R7#4  2.2k  [R_0603_1608Metric]  64.51 104.38 180 top
R8  2.2k  [R_0603_1608Metric]  93.2 54.6 0 top
R8#2  2.2k  [R_0603_1608Metric]  93.2 105.9 0 top
R8#3  2.2k  [R_0603_1608Metric]  21.58 54.6 0 top
R8#4  2.2k  [R_0603_1608Metric]  21.58 105.9 0 top
R9  2.2k  [R_0603_1608Metric]  21.58 53.08 180 top
R9#2  2.2k  [R_0603_1608Metric]  93.2 104.38 180 top
R9#3  2.2k  [R_0603_1608Metric]  93.2 53.08 180 top
R9#4  2.2k  [R_0603_1608Metric]  21.58 104.38 180 top
R11  1k  [R_0603_1608Metric]  64.51 102.6 180 top
R11#2  1k  [R_0603_1608Metric]  136.13 102.6 180 top
R11#3  1k  [R_0603_1608Metric]  136.13 51.3 180 top
R11#4  1k  [R_0603_1608Metric]  64.51 51.3 180 top
R12  2.2k  [R_0603_1608Metric]  64.51 54.86 180 top
R12#2  2.2k  [R_0603_1608Metric]  64.51 106.16 180 top
R12#3  2.2k  [R_0603_1608Metric]  136.13 106.16 180 top
R12#4  2.2k  [R_0603_1608Metric]  136.13 54.86 180 top
R17  5.1k  [R_0603_1608Metric]  22.73 72.37 90 top
R17#2  5.1k  [R_0603_1608Metric]  22.73 21.07 90 top
R17#3  5.1k  [R_0603_1608Metric]  94.34 21.07 90 top
R17#4  5.1k  [R_0603_1608Metric]  94.34 72.37 90 top
R18  5.1k  [R_0603_1608Metric]  24.25 72.37 90 top
R18#2  5.1k  [R_0603_1608Metric]  95.87 21.07 90 top
R18#3  5.1k  [R_0603_1608Metric]  24.25 21.07 90 top
R18#4  5.1k  [R_0603_1608Metric]  95.87 72.37 90 top
R19  5.1k  [R_0603_1608Metric]  95.87 94.73 270 top
R19#2  5.1k  [R_0603_1608Metric]  95.87 43.43 270 top
R19#3  5.1k  [R_0603_1608Metric]  24.25 94.73 270 top
R19#4  5.1k  [R_0603_1608Metric]  24.25 43.43 270 top
R20  5.1k  [R_0603_1608Metric]  22.73 94.73 270 top
R20#2  5.1k  [R_0603_1608Metric]  22.73 43.43 270 top
R20#3  5.1k  [R_0603_1608Metric]  94.34 43.43 270 top
R20#4  5.1k  [R_0603_1608Metric]  94.34 94.73 270 top
Ref**  Val**  [OSHW_Logo_5mm]  44.06 32.26 90 bottom
Ref**#2  Val**  [OSHW_Logo_5mm]  44.06 83.56 90 bottom
Ref**#3  Val**  [OSHW_Logo_5mm]  115.68 83.56 90 bottom
Ref**#4  Val**  [OSHW_Logo_5mm]  115.68 32.26 90 bottom
RTK1  ~  [Jumper_2_NC_Trace]  136.14 50.41 0 bottom
RTK1#2  ~  [Jumper_2_NC_Trace]  64.52 50.41 0 bottom
RTK1#3  ~  [Jumper_2_NC_Trace]  136.14 101.71 0 bottom
RTK1#4  ~  [Jumper_2_NC_Trace]  64.52 101.71 0 bottom
SHLD1  ~  [Jumper_2_NC_Trace]  88 89.27 270 bottom
SHLD1#2  ~  [Jumper_2_NC_Trace]  16.38 37.97 270 bottom
SHLD1#3  ~  [Jumper_2_NC_Trace]  16.38 89.27 270 bottom
SHLD1#4  ~  [Jumper_2_NC_Trace]  88 37.97 270 bottom
SHLD2  ~  [Jumper_2_NC_Trace]  88 26.53 270 bottom
SHLD2#2  ~  [Jumper_2_NC_Trace]  16.38 26.53 270 bottom
SHLD2#3  ~  [Jumper_2_NC_Trace]  88 77.84 270 bottom
SHLD2#4  ~  [Jumper_2_NC_Trace]  16.38 77.84 270 bottom
ST1  -  [Standoff]  88.63 55.11 0 top
ST1#2  -  [Standoff]  88.63 106.41 0 top
ST1#3  -  [Standoff]  17.01 106.41 0 top
ST1#4  -  [Standoff]  17.01 55.11 0 top
ST2  -  [Standoff]  88.63 9.39 0 top
ST2#2  -  [Standoff]  17.01 60.69 0 top
ST2#3  -  [Standoff]  88.63 60.69 0 top
ST2#4  -  [Standoff]  17.01 9.39 0 top
ST3  -  [Standoff]  75.43 106.41 0 top
ST3#2  -  [Standoff]  147.05 106.41 0 top
ST3#3  -  [Standoff]  147.05 55.11 0 top
ST3#4  -  [Standoff]  75.43 55.11 0 top
ST4  -  [Standoff]  75.43 9.39 0 top
ST4#2  -  [Standoff]  147.05 60.69 0 top
ST4#3  -  [Standoff]  75.43 60.69 0 top
ST4#4  -  [Standoff]  147.05 9.39 0 top
ST5  -  [Standoff]  100.84 98.05 0 top
ST5#2  -  [Standoff]  29.22 98.05 0 top
ST5#3  -  [Standoff]  29.22 46.75 0 top
ST5#4  -  [Standoff]  100.84 46.75 0 top
ST6  -  [Standoff]  29.22 69.05 0 top
ST6#2  -  [Standoff]  29.22 17.75 0 top
ST6#3  -  [Standoff]  100.84 17.75 0 top
ST6#4  -  [Standoff]  100.84 69.05 0 top
ST7  -  [Standoff]  139.84 98.05 0 top
ST7#2  -  [Standoff]  139.84 46.75 0 top
ST7#3  -  [Standoff]  68.22 98.05 0 top
ST7#4  -  [Standoff]  68.22 46.75 0 top
ST8  -  [Standoff]  139.84 69.05 0 top
ST8#2  -  [Standoff]  68.22 69.05 0 top
ST8#3  -  [Standoff]  139.84 17.75 0 top
ST8#4  -  [Standoff]  68.22 17.75 0 top
TP9  1.25mm  [TestPoint-1.25mm]  116.57 27.17 180 bottom
TP9#2  1.25mm  [TestPoint-1.25mm]  44.95 78.47 180 bottom
TP9#3  1.25mm  [TestPoint-1.25mm]  116.57 78.47 180 bottom
